# Altium PCB SFPP.PcbDoc (part 1 of 4) (continued)
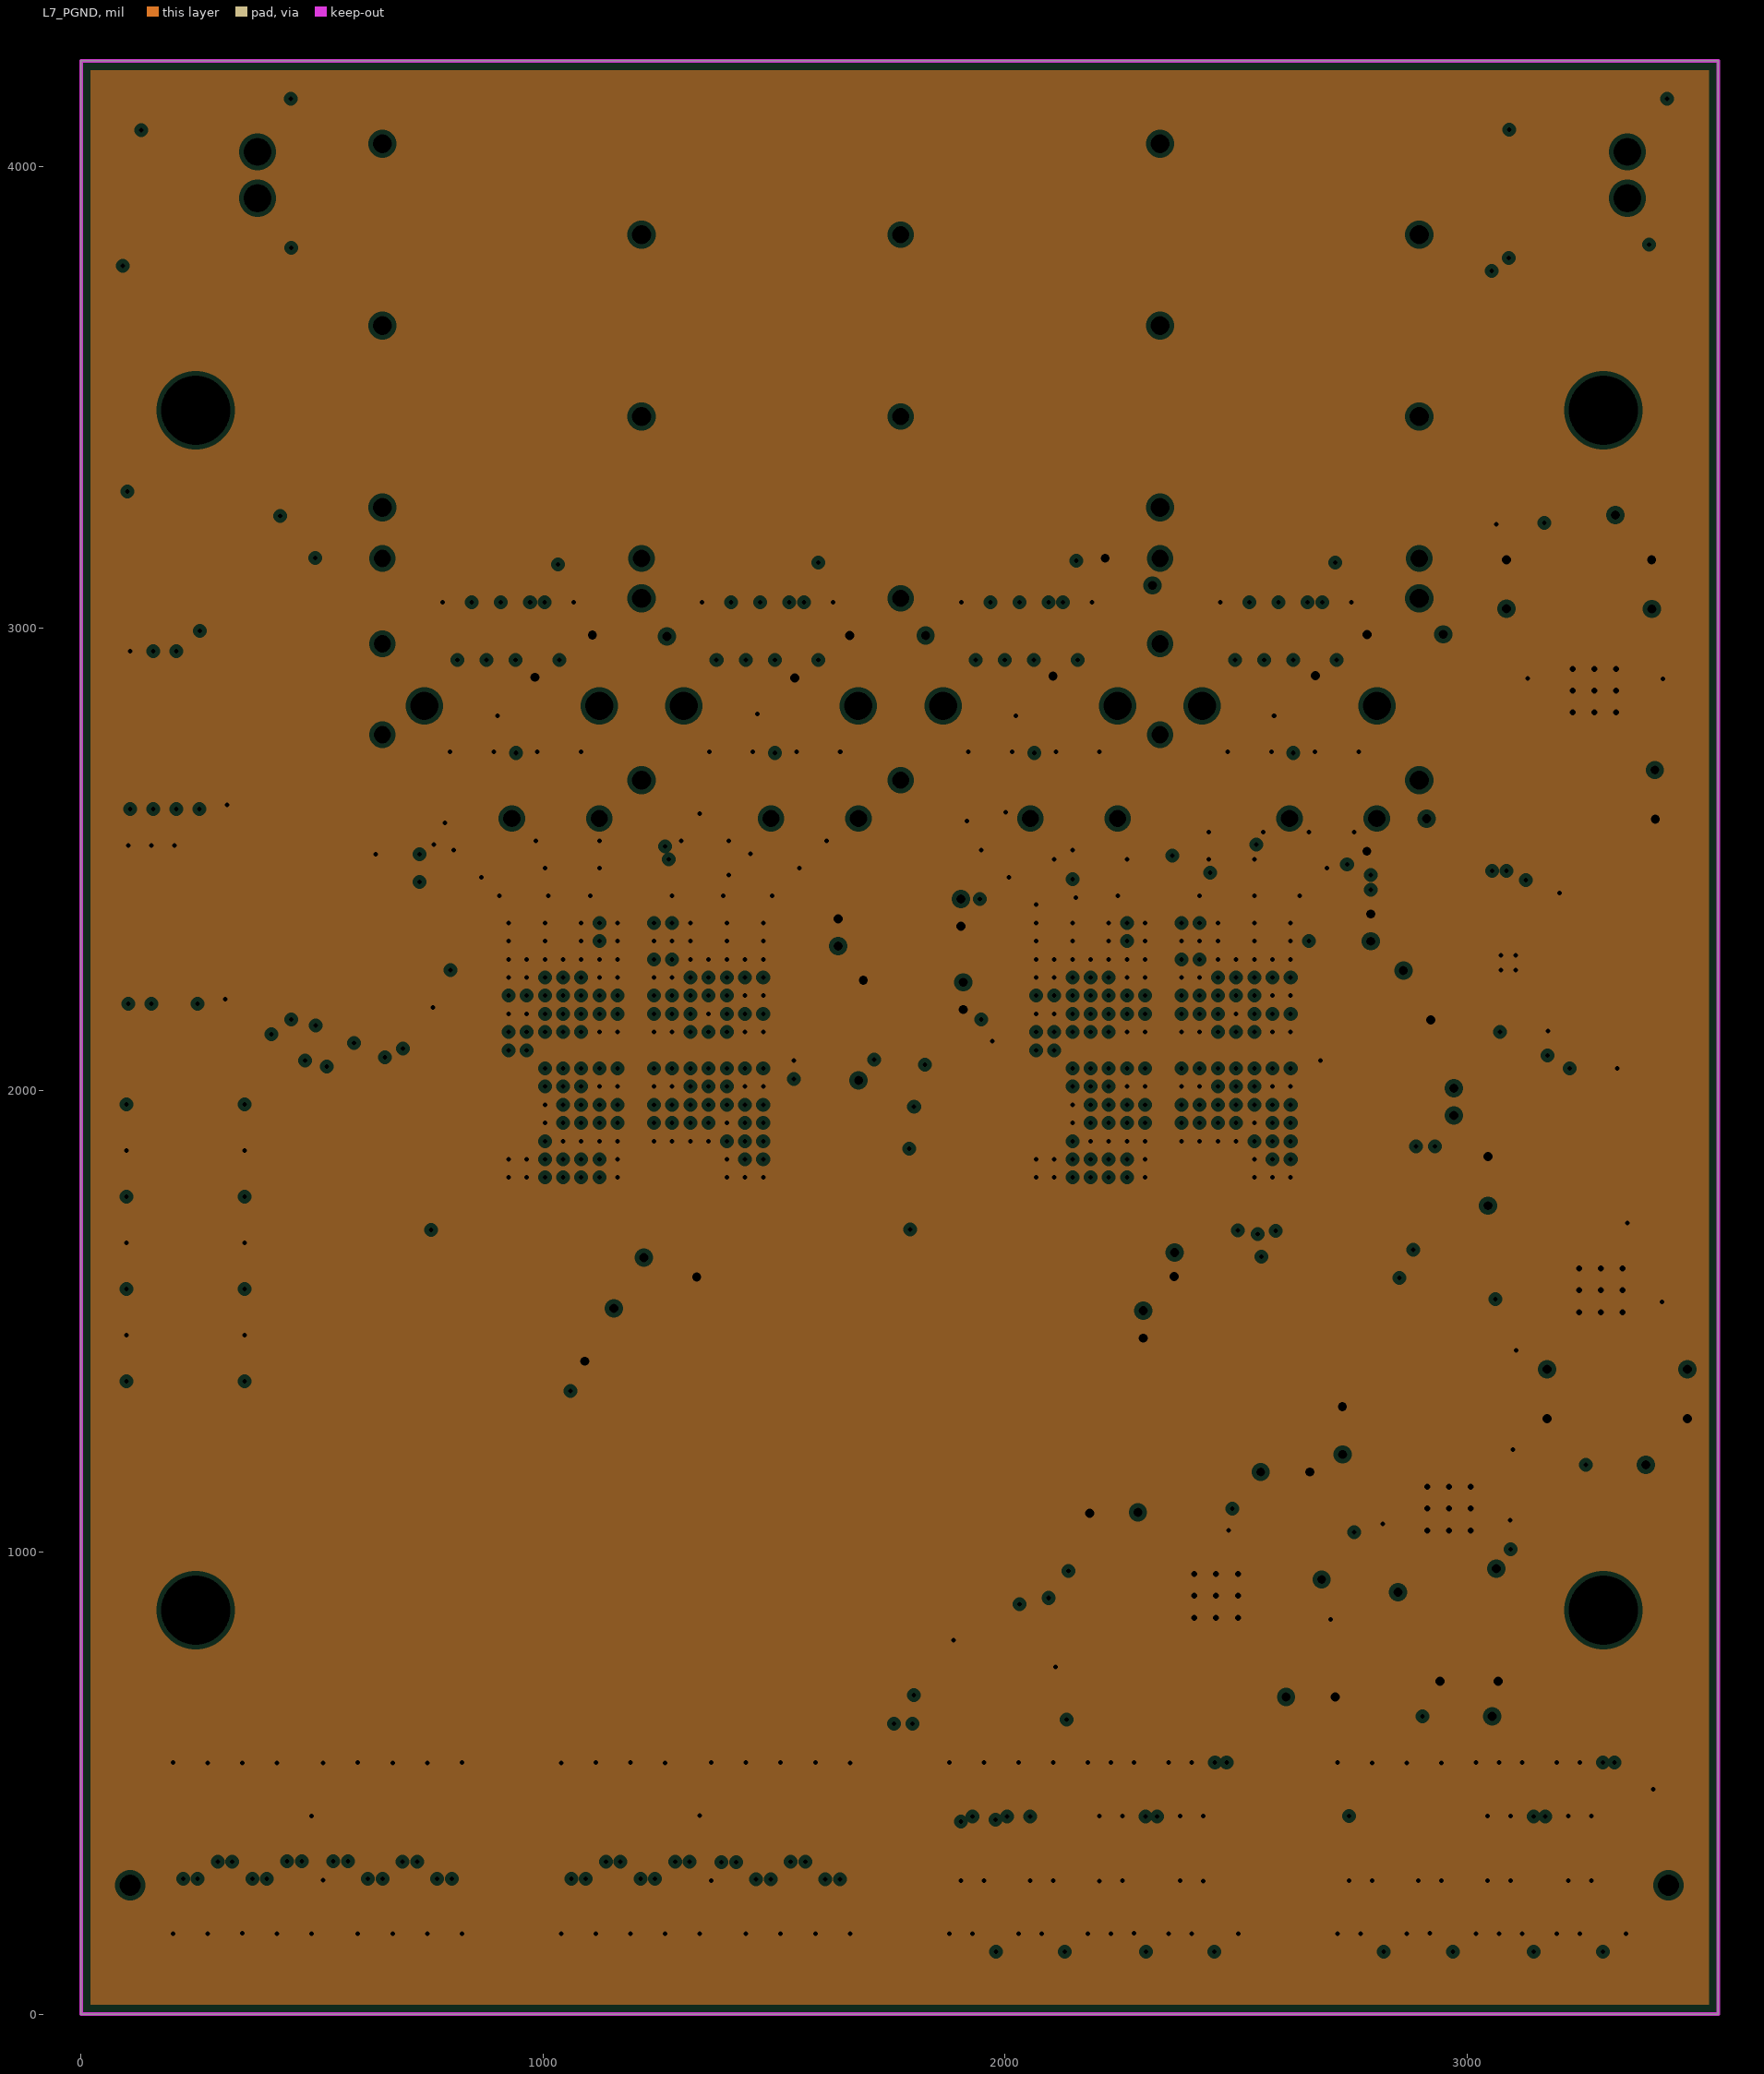
[diagram p7: L7_PGND, clearances drawn from the general rule]
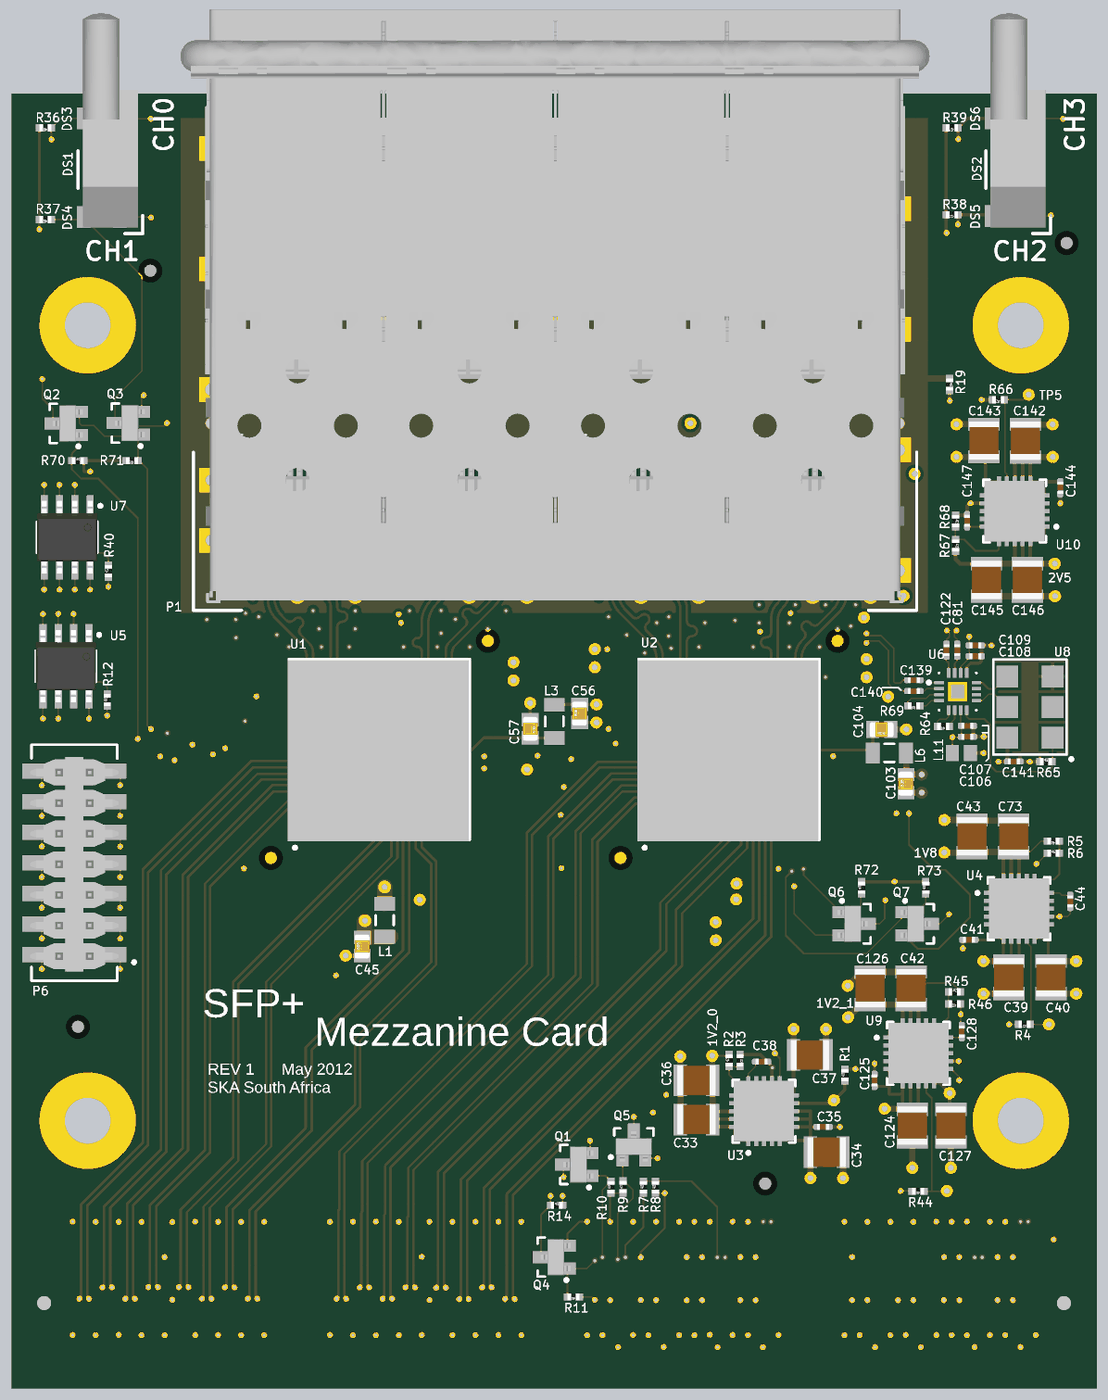
[diagram p11: 3D render of the assembled board from above, using the file's embedded part models]
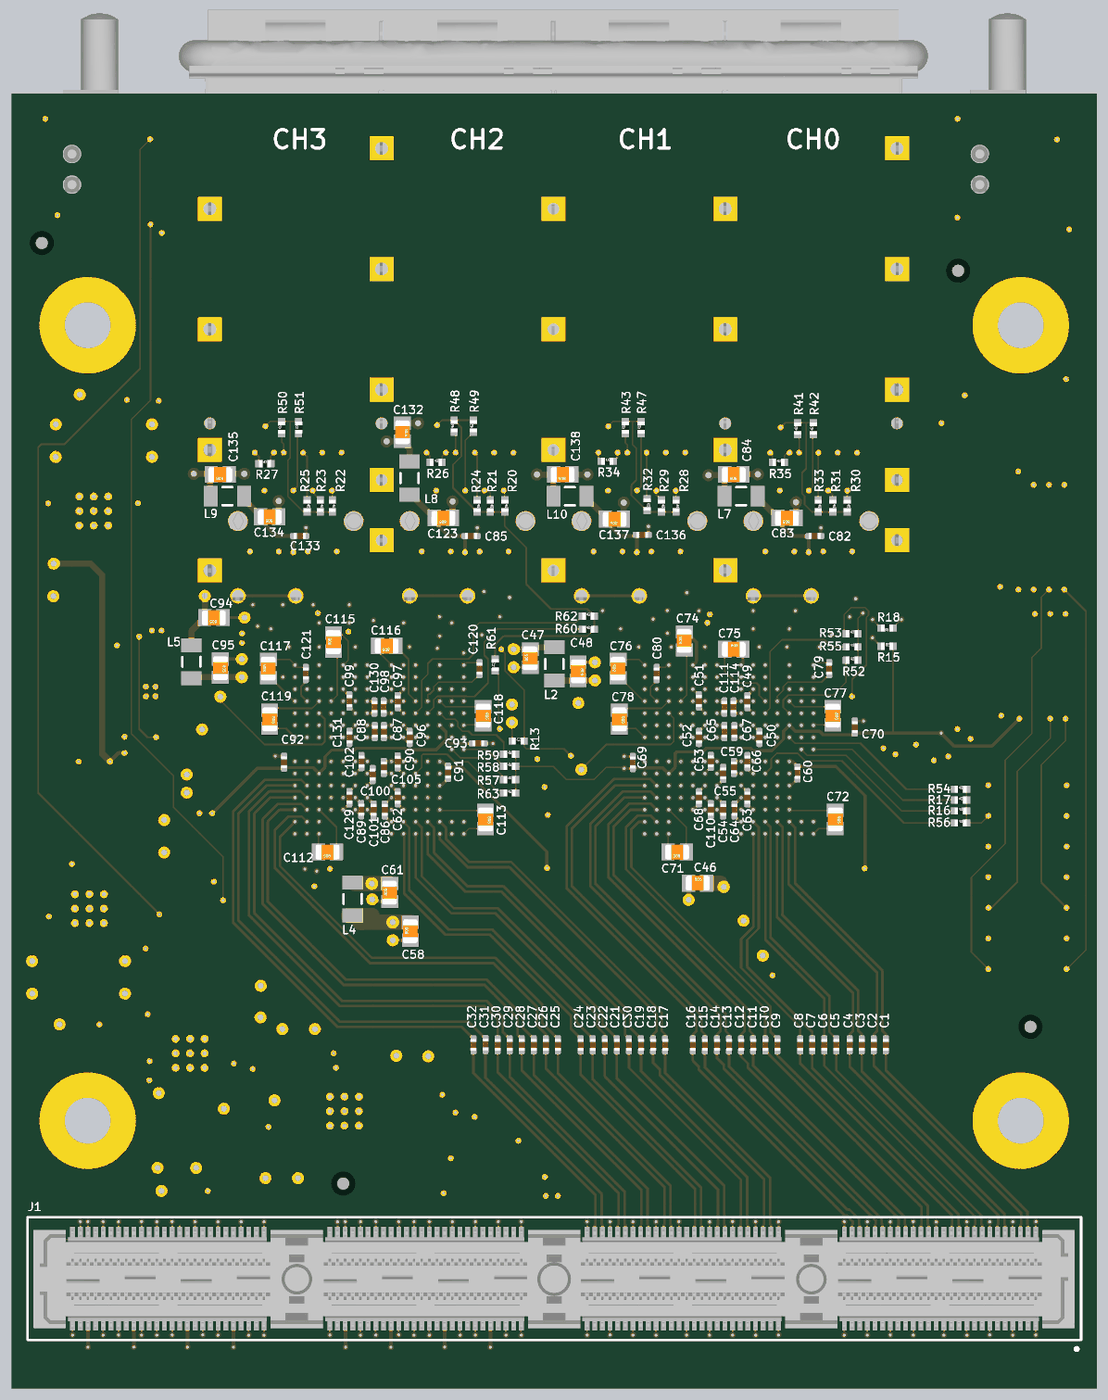
[diagram p12: 3D render of the assembled board from below, using the file's embedded part models]

## Layer stack, top to bottom
L1_S1: signal copper 0.7
Dielectric: core 5, FR-4, Dk 4.6
L2_PGND: plane copper 0.7, net GND
Dielectric: prepreg 8, FR-4, Dk 4.8
L3_S2: signal copper 0.7
Dielectric: core 8, FR-4, Dk 4.8
L4_P1V2: plane copper 0.7, net (Multiple Nets)
Dielectric: prepreg 15, FR-4, Dk 4.8
L5_P1V8: plane copper 0.7, net 1V8
Dielectric: core 8, FR-4, Dk 4.6
L6_S3: signal copper 0.7
Dielectric: prepreg 8, FR-4, Dk 4.8
L7_PGND: plane copper 0.7, net GND
Dielectric: core 5, FR-4, Dk 4.6
L8_S4: signal copper 0.7

## Board outline
0,0 3543.31,0 3543.31,4228.35 0,4228.35

## Design rules (kind name [scope] priority, off if disabled: settings)
Clearance Clearance_bga [(InRegionRelative(900,1800,1500,2400) or InRegionRelative(2000,1800,2650,2400))] p1: gap=4
Clearance Clearance_poly [(IsRegion)] p2: gap=10
Clearance Clearance_poly_SHGND [InNet('SHGND')] p3: gap=12
Clearance Clearance_std [All] p4: gap=6
ComponentClearance [All vs (not HasFootprint('DIALIGHT_515-1094F'))] p1: gap=10 collisioncheckmode=3 verticalgap=5 showdistances=FALSE
DiffPairsRouting [All] p1: maxlimit=20 minlimit=12 mostfreqgap=12 maxuncoupledlength=500
HoleSize [All] p1: absolutevalues=TRUE maxlimit=150 minlimit=9 maxpercent=80.000 minpercent=20.000
MinimumSolderMaskSliver [All] p1: minsoldermaskwidth=4
PlaneClearance [All] p1: clearance=10
PlaneConnect PlaneConnect_via [isVia] p1: planeconnectstyle=Direct reliefexpansion=20 reliefentries=4 reliefconductorwidth=10 reliefairgap=10
PlaneConnect PlaneConnect_component [All] p2: planeconnectstyle=Relief reliefexpansion=20 reliefentries=4 reliefconductorwidth=10 reliefairgap=6
PolygonConnect PolygonConnect_GNDSH [(InNet('SHGND') and HasFootprint('MOLEX_0747540420'))] p1: connectstyle=Direct reliefconductorwidth=10 reliefentries=4 polygonreliefangle="90 Angle"
PolygonConnect PolygonConnect_via [isVia vs isPolygon] p2: connectstyle=Direct reliefconductorwidth=10 reliefentries=4 polygonreliefangle="90 Angle"
PolygonConnect PolygonConnect_component [All] p3: connectstyle=Relief reliefconductorwidth=10 reliefentries=4 polygonreliefangle="90 Angle"
RoutingVias [All] p1: holewidth=10 width=19.4 viastyle="Through Hole" minholewidth=10 minwidth=19.4 maxholewidth=28 maxwidth=50
ShortCircuit [isnet] p1: allowed=FALSE
SilkToSilkClearance [All] p1: silktosilkclearance=4
SilkscreenOverComponentPads [All] p1: minsilkscreentomaskgap=3
SolderMaskExpansion SolderMaskExpansion_none [(isVia Or inComponent(P1))] p1: expansion=0
SolderMaskExpansion [All] p2: expansion=1
Width Width_BGA [(InRegionRelative(850,1750,1550,2450) or InRegionRelative(1950,1750,2700,2450))] p1: maxlimit=20 minlimit=3.94 preferedwidth=5
Width [All] p2: maxlimit=50 minlimit=5 preferedwidth=5
19 further rules are at their usual default settings.

## Classes and differential pairs
net class SFI: SFI_RX0_N SFI_RX0_P SFI_RX1_N SFI_RX1_P SFI_RX2_N SFI_RX2_P SFI_RX3_N SFI_RX3_P SFI_TX0_N SFI_TX0_P SFI_TX1_N SFI_TX1_P SFI_TX2_N SFI_TX2_P SFI_TX3_N SFI_TX3_P
differential pair XAUI_CLK0: +XAUI_CLK0_P -XAUI_CLK0_N
differential pair MGT_RX0: +MGT_RX_P0 -MGT_RX_N0
differential pair MGT_RX1: +MGT_RX_P1 -MGT_RX_N1
differential pair MGT_RX2: +MGT_RX_P2 -MGT_RX_N2
differential pair MGT_RX3: +MGT_RX_P3 -MGT_RX_N3
differential pair MGT_RX4: +MGT_RX_P4 -MGT_RX_N4
differential pair MGT_RX5: +MGT_RX_P5 -MGT_RX_N5
differential pair MGT_RX6: +MGT_RX_P6 -MGT_RX_N6
differential pair MGT_RX7: +MGT_RX_P7 -MGT_RX_N7
differential pair MGT_RX8: +MGT_RX_P8 -MGT_RX_N8
differential pair MGT_RX9: +MGT_RX_P9 -MGT_RX_N9
differential pair MGT_RX10: +MGT_RX_P10 -MGT_RX_N10
differential pair MGT_RX11: +MGT_RX_P11 -MGT_RX_N11
differential pair MGT_RX12: +MGT_RX_P12 -MGT_RX_N12
differential pair MGT_RX13: +MGT_RX_P13 -MGT_RX_N13
differential pair MGT_RX14: +MGT_RX_P14 -MGT_RX_N14
differential pair MGT_RX15: +MGT_RX_P15 -MGT_RX_N15
differential pair MGT_TX0: +MGT_TX_P0 -MGT_TX_N0
differential pair MGT_TX1: +MGT_TX_P1 -MGT_TX_N1
differential pair MGT_TX2: +MGT_TX_P2 -MGT_TX_N2
differential pair MGT_TX3: +MGT_TX_P3 -MGT_TX_N3
differential pair MGT_TX4: +MGT_TX_P4 -MGT_TX_N4
differential pair MGT_TX5: +MGT_TX_P5 -MGT_TX_N5
differential pair MGT_TX6: +MGT_TX_P6 -MGT_TX_N6
differential pair MGT_TX7: +MGT_TX_P7 -MGT_TX_N7
differential pair MGT_TX8: +MGT_TX_P8 -MGT_TX_N8
differential pair MGT_TX9: +MGT_TX_P9 -MGT_TX_N9
differential pair MGT_TX10: +MGT_TX_P10 -MGT_TX_N10
differential pair MGT_TX11: +MGT_TX_P11 -MGT_TX_N11
differential pair MGT_TX12: +MGT_TX_P12 -MGT_TX_N12
differential pair MGT_TX13: +MGT_TX_P13 -MGT_TX_N13
differential pair MGT_TX14: +MGT_TX_P14 -MGT_TX_N14
differential pair MGT_TX15: +MGT_TX_P15 -MGT_TX_N15
differential pair MGT_TX_AC0: +MGT_TX_AC_P0 -MGT_TX_AC_N0
differential pair MGT_TX_AC1: +MGT_TX_AC_P1 -MGT_TX_AC_N1
differential pair MGT_TX_AC2: +MGT_TX_AC_P2 -MGT_TX_AC_N2
differential pair MGT_TX_AC3: +MGT_TX_AC_P3 -MGT_TX_AC_N3
differential pair MGT_TX_AC4: +MGT_TX_AC_P4 -MGT_TX_AC_N4
differential pair MGT_TX_AC5: +MGT_TX_AC_P5 -MGT_TX_AC_N5
differential pair MGT_TX_AC6: +MGT_TX_AC_P6 -MGT_TX_AC_N6
differential pair MGT_TX_AC7: +MGT_TX_AC_P7 -MGT_TX_AC_N7
differential pair MGT_TX_AC8: +MGT_TX_AC_P8 -MGT_TX_AC_N8
differential pair MGT_TX_AC9: +MGT_TX_AC_P9 -MGT_TX_AC_N9
differential pair MGT_TX_AC10: +MGT_TX_AC_P10 -MGT_TX_AC_N10
differential pair MGT_TX_AC11: +MGT_TX_AC_P11 -MGT_TX_AC_N11
differential pair MGT_TX_AC12: +MGT_TX_AC_P12 -MGT_TX_AC_N12
differential pair MGT_TX_AC13: +MGT_TX_AC_P13 -MGT_TX_AC_N13
differential pair MGT_TX_AC14: +MGT_TX_AC_P14 -MGT_TX_AC_N14
differential pair MGT_TX_AC15: +MGT_TX_AC_P15 -MGT_TX_AC_N15
differential pair SFI_RX0: +SFI_RX0_P -SFI_RX0_N
differential pair SFI_RX1: +SFI_RX1_P -SFI_RX1_N
differential pair SFI_RX2: +SFI_RX2_P -SFI_RX2_N
differential pair SFI_RX3: +SFI_RX3_P -SFI_RX3_N
differential pair SFI_TX0: +SFI_TX0_P -SFI_TX0_N
differential pair SFI_TX1: +SFI_TX1_P -SFI_TX1_N
differential pair SFI_TX2: +SFI_TX2_P -SFI_TX2_N
differential pair SFI_TX3: +SFI_TX3_P -SFI_TX3_N
differential pair XAUI_CLK1: +XAUI_CLK1_P -XAUI_CLK1_N
differential pair XAUI_CLKAC0: +XAUI_CLKAC0_P -XAUI_CLKAC0_N
differential pair XAUI_CLKAC1: +XAUI_CLKAC1_P -XAUI_CLKAC1_N
differential pair XAUI_CLK: +XAUI_CLK_P -XAUI_CLK_N

## Components (designator, comment, footprint, x,y, rotation, side; value= is the part's Value field where it differs from the comment)
C1 "0.1uF" CAPC1005X60L 688.98,1122.05 r270 bottom
C2 "0.1uF" CAPC1005X60L 728.35,1122.05 r270 bottom
C3 "0.1uF" CAPC1005X60L 767.72,1122.05 r270 bottom
C4 "0.1uF" CAPC1005X60L 807.09,1122.05 r270 bottom
C5 "0.1uF" CAPC1005X60L 850.39,1122.05 r270 bottom
C6 "0.1uF" CAPC1005X60L 889.76,1122.05 r270 bottom
C7 "0.1uF" CAPC1005X60L 929.13,1122.05 r270 bottom
C8 "0.1uF" CAPC1005X60L 968.5,1122.05 r270 bottom
C9 "0.1uF" CAPC1005X60L 1043.31,1122.05 r270 bottom
C10 "0.1uF" CAPC1005X60L 1082.68,1122.05 r270 bottom
C11 "0.1uF" CAPC1005X60L 1122.05,1122.05 r270 bottom
C12 "0.1uF" CAPC1005X60L 1161.42,1122.05 r270 bottom
C13 "0.1uF" CAPC1005X60L 1200.79,1122.05 r270 bottom
C14 "0.1uF" CAPC1005X60L 1240.16,1122.05 r270 bottom
C15 "0.1uF" CAPC1005X60L 1279.53,1122.05 r270 bottom
C16 "0.1uF" CAPC1005X60L 1318.9,1122.05 r270 bottom
C17 "0.1uF" CAPC1005X60L 1409.45,1122.05 r270 bottom
C18 "0.1uF" CAPC1005X60L 1448.82,1122.05 r270 bottom
C19 "0.1uF" CAPC1005X60L 1488.19,1122.05 r270 bottom
C20 "0.1uF" CAPC1005X60L 1527.56,1122.05 r270 bottom
C21 "0.1uF" CAPC1005X60L 1566.93,1122.05 r270 bottom
C22 "0.1uF" CAPC1005X60L 1606.3,1122.05 r270 bottom
C23 "0.1uF" CAPC1005X60L 1645.67,1122.05 r270 bottom
C24 "0.1uF" CAPC1005X60L 1685.04,1122.05 r270 bottom
C25 "0.1uF" CAPC1005X60L 1759.84,1122.05 r270 bottom
C26 "0.1uF" CAPC1005X60L 1799.21,1122.05 r270 bottom
C27 "0.1uF" CAPC1005X60L 1838.58,1122.05 r270 bottom
C28 "0.1uF" CAPC1005X60L 1877.95,1122.05 r270 bottom
C29 "0.1uF" CAPC1005X60L 1917.32,1122.05 r270 bottom
C30 "0.1uF" CAPC1005X60L 1956.69,1122.05 r270 bottom
C31 "0.1uF" CAPC1005X60L 1996,1123.32 r270 bottom
C32 "0.1uF" CAPC1005X60L 2035.43,1122.05 r270 bottom
C33 "100uF" CAPC3225X270L 2236,877.95 r0 top
C34 "10uF" CAPC3225X200L 2661.42,771.65 r180 top
C35 "0.1uF" CAPC1005X60L 2649.61,854.33 r180 top
C36 "10uF" CAPC3225X200L 2236,1006 r0 top
C37 "10uF" CAPC3225X200L 2606.3,1089 r180 top
C38 "0.01uF" CAPC1005X55L 2448.82,1066.93 r180 top
C39 "10uF" CAPC3225X200L 3255.91,1342.52 r90 top
C40 "10uF" CAPC3225X200L 3393.7,1342.52 r90 top
C41 "0.1uF" CAPC1005X60L 3125.8,1465 r0 top
C42 "100uF" CAPC3225X270L 2937.01,1307.09 r270 top
C43 "10uF" CAPC3225X200L 3135.83,1803.15 r270 top
C44 "0.01uF" CAPC1005X55L 3456.69,1590.55 r90 top
C45 "4.7uF" CAPC2012X127L 1145,1443 r90 top
C46 "4.7uF" CAPC2012X127L 1303.23,1650 r180 bottom
C47 "4.7uF" CAPC2012X127L 1849.43,2384.46 r90 bottom
C48 "4.7uF" CAPC2012X127L 1693.43,2341.46 r270 bottom
C49 "0.1uF" CAPC1005X60L 1141,2243 r270 bottom
C50 "0.1uF" CAPC1005X60L 1102,2126 r90 bottom
C51 "0.1uF" CAPC1005X60L 1299,2245 r270 bottom
C52 "0.1uF" CAPC1005X60L 1299,2126 r90 bottom
C53 "0.1uF" CAPC1005X60L 1260.32,2047.72 r90 bottom
C54 "0.1uF" CAPC1005X60L 1220,1889 r90 bottom
C55 "0.1uF" CAPC1005X60L 1220,2008.35 r270 bottom
C56 "4.7uF" CAPC2012X127L 1855,2204 r90 top
C57 "4.7uF" CAPC2012X127L 1693,2154 r270 top
C58 "4.7uF" CAPC2012X127L 2241,1493 r90 bottom
C59 "0.1uF" CAPC1005X60L 1185,2028 r90 bottom
C60 "0.1uF" CAPC1005X60L 977.27,2010.01 r90 bottom
C61 "4.7uF" CAPC2012X127L 2308.87,1619.49 r90 bottom
C62 "0.1uF" CAPC1005X60L 2283,1929 r90 bottom
C63 "0.1uF" CAPC1005X60L 1141.6,1929 r90 bottom
C64 "0.1uF" CAPC1005X60L 1183,1889 r90 bottom
C65 "0.1uF" CAPC1005X60L 1216,2145 r90 bottom
C66 "0.1uF" CAPC1005X60L 1141,2047 r90 bottom
C67 "0.1uF" CAPC1005X60L 1184,2145 r90 bottom
C68 "0.1uF" CAPC1005X60L 1299,1929 r90 bottom
C69 "0.1uF" CAPC1005X60L 1514.84,2044 r270 bottom
C70 "0.1uF" CAPC1005X60L 790.38,2159.45 r270 bottom
C71 "1uF" CAPC2012X127L 1370.08,1751.97 r0 bottom
C72 "1uF" CAPC2012X127L 854.33,1858.27 r270 bottom
C73 "100uF" CAPC3225X270L 3271.65,1803.15 r270 top
C74 "1uF" CAPC2012X127L 1346.46,2440.94 r90 bottom
C75 "1uF" CAPC2012X127L 1185.04,2413.39 r180 bottom
C76 "1uF" CAPC2012X127L 1562.99,2350.39 r90 bottom
C77 "1uF" CAPC2012X127L 862.2,2196.85 r270 bottom
C78 "1uF" CAPC2012X127L 1559.06,2185.04 r270 bottom
C79 "0.1uF" CAPC1005X60L 873.86,2350.39 r270 bottom
C80 "0.1uF" CAPC1005X60L 1437.01,2334.65 r270 bottom
C81 "0.01uF" CAPC1005X55L 3087.69,2410.61 r90 top
C82 "0.1uF" CAPC1005X60L 921.26,2783.46 r0 bottom
C83 "4.7uF" CAPC2012X127L 1011.81,2842.52 r0 bottom
C84 "4.7uF" CAPC2012X127L 1185.04,2984.25 r0 bottom
C85 "0.1uF" CAPC1005X60L 2043.31,2783.46 r0 bottom
C86 "0.1uF" CAPC1005X60L 2324.73,1889 r90 bottom
C87 "0.1uF" CAPC1005X60L 2327.73,2145 r90 bottom
C88 "0.1uF" CAPC1005X60L 2357.73,2145 r90 bottom
C89 "0.1uF" CAPC1005X60L 2401.73,1890 r90 bottom
C90 "0.1uF" CAPC1005X60L 2283,2046.31 r90 bottom
C91 "0.1uF" CAPC1005X60L 2118.11,2011.81 r90 bottom
C92 "0.1uF" CAPC1005X60L 2654,2044.69 r270 bottom
C93 "0.1uF" CAPC1005X60L 2019.68,2106.3 r0 bottom
C94 "4.7uF" CAPC2012X127L 2883,2517.2 r0 bottom
C95 "4.7uF" CAPC2012X127L 2862.36,2351.95 r270 bottom
C96 "0.1uF" CAPC1005X60L 2243.73,2126 r90 bottom
C97 "0.1uF" CAPC1005X60L 2282.73,2243 r270 bottom
C98 "0.1uF" CAPC1005X60L 2328.73,2225 r270 bottom
C99 "0.1uF" CAPC1005X60L 2440.73,2245 r270 bottom
C100 "0.1uF" CAPC1005X60L 2364.33,2004.63 r270 bottom
C101 "0.1uF" CAPC1005X60L 2361.73,1889 r90 bottom
C102 "0.1uF" CAPC1005X60L 2401.33,2047 r90 bottom
C103 "4.7uF" CAPC2012X127L 2920.61,1975 r90 top
C104 "4.7uF" CAPC2012X127L 2841,2152 r180 top
C105 "0.1uF" CAPC1005X60L 2327.73,2028 r90 bottom
C106 "0.1uF" CAPC1005X60L 3120.75,2128.11 r180 top
C107 "1000pF" CAPC1005X55L 3120.75,2163.54 r180 top
C108 "0.1uF" CAPC1005X60L 3146.75,2390.92 r180 top
C109 "1000pF" CAPC1005X55L 3146.75,2426.35 r180 top
C110 "0.1uF" CAPC1005X60L 1260.08,1890 r90 bottom
C111 "0.1uF" CAPC1005X60L 1216,2225 r270 bottom
C112 "1uF" CAPC2012X127L 2511.81,1751.97 r0 bottom
C113 "1uF" CAPC2012X127L 1996.06,1858.27 r270 bottom
C114 "0.1uF" CAPC1005X60L 1186,2225 r270 bottom
C115 "1uF" CAPC2012X127L 2492.13,2437.01 r90 bottom
C116 "1uF" CAPC2012X127L 2318.9,2425.2 r0 bottom
C117 "1uF" CAPC2012X127L 2704.72,2350.39 r90 bottom
C118 "1uF" CAPC2012X127L 2003.94,2196.85 r270 bottom
C119 "1uF" CAPC2012X127L 2700.79,2185.04 r270 bottom
C120 "0.1uF" CAPC1005X60L 2015.75,2350.39 r270 bottom
C121 "0.1uF" CAPC1005X60L 2582.68,2334.65 r270 bottom
C122 "0.01uF" CAPC1005X55L 3052.26,2410.61 r90 top
C123 "4.7uF" CAPC2012X127L 2133.86,2842.52 r0 bottom
C124 "10uF" CAPC3225X200L 2940.94,858.27 r90 top
C125 "0.1uF" CAPC1005X60L 2817.63,1006 r270 top
C126 "10uF" CAPC3225X200L 2803.15,1307.09 r270 top
C127 "10uF" CAPC3225X200L 3066.93,858.27 r90 top
C128 "0.01uF" CAPC1005X55L 3102.36,1165.35 r270 top
C129 "0.1uF" CAPC1005X60L 2440.73,1929 r90 bottom